# Altium PCB Power_Part_V1.0.PcbDoc
Units mil, origin at the board's own origin, x right, y up, seen from the top; angles counter-clockwise.
Board outline 7874.02 x 5118.11 mil, 2 copper layers (Top Layer, Bottom Layer); 19 components, 24 nets, 1098 pads, 4 vias.
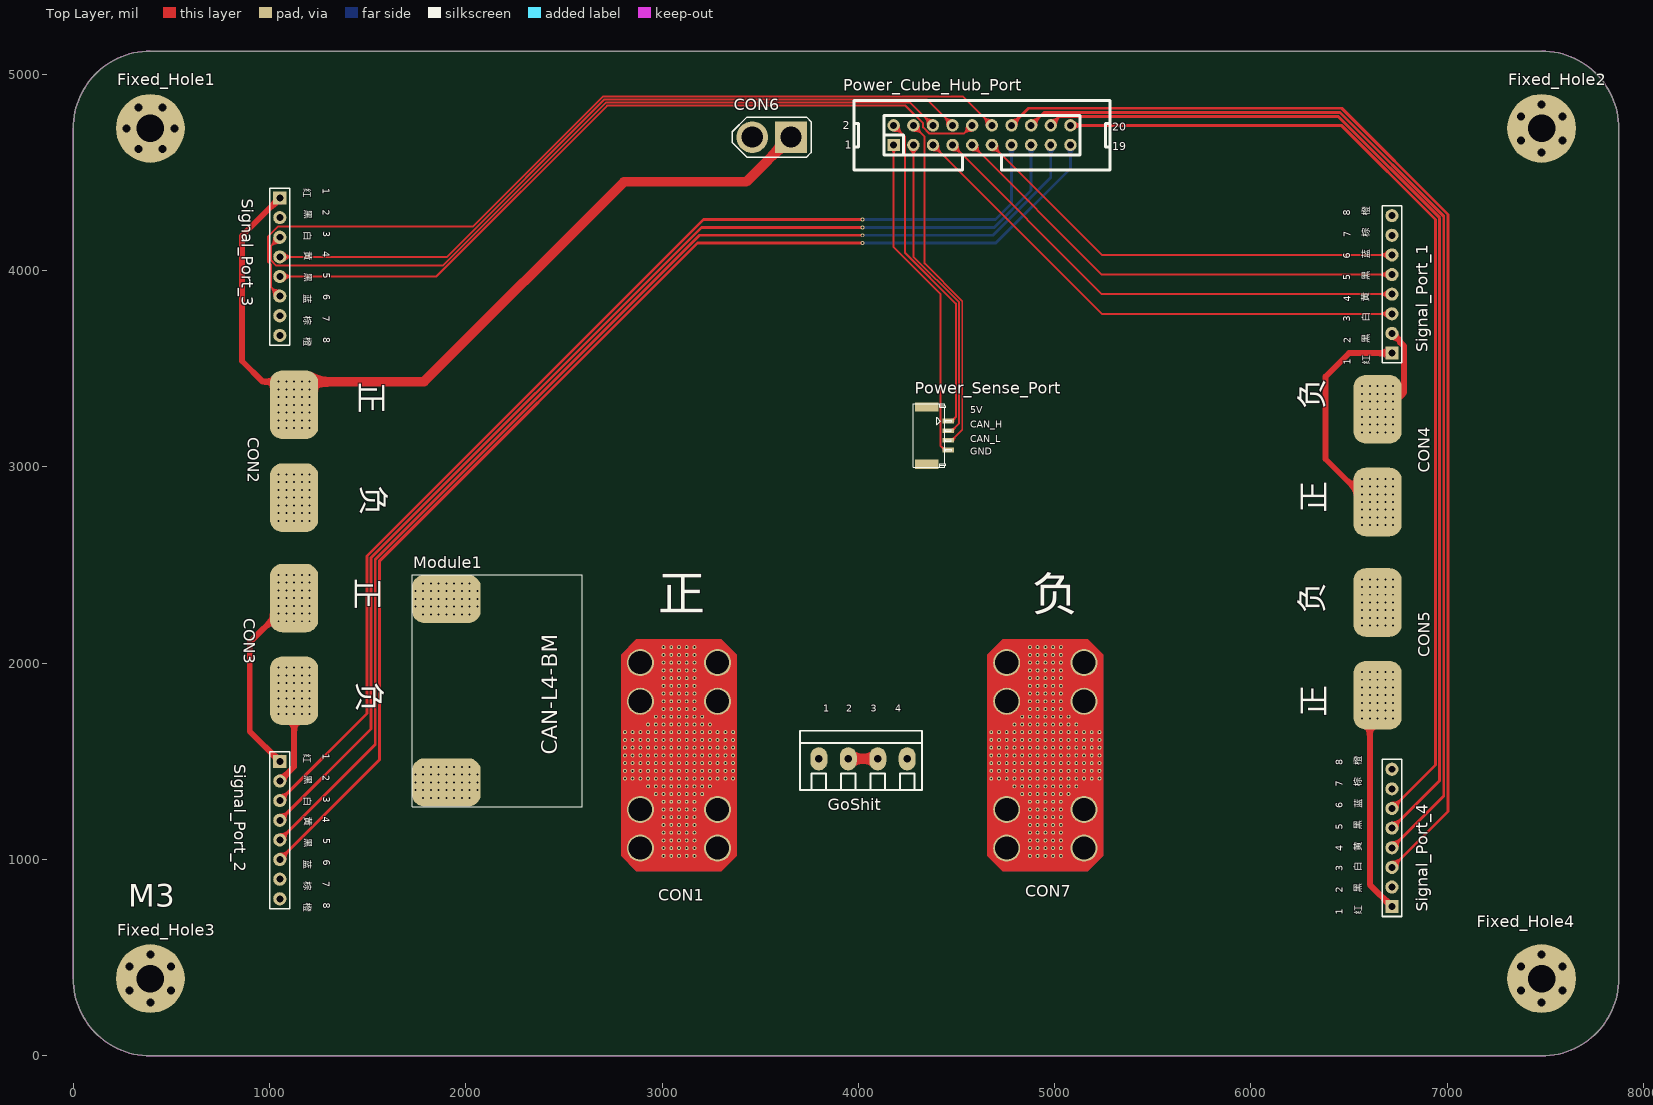
[diagram p0: Top Layer view]
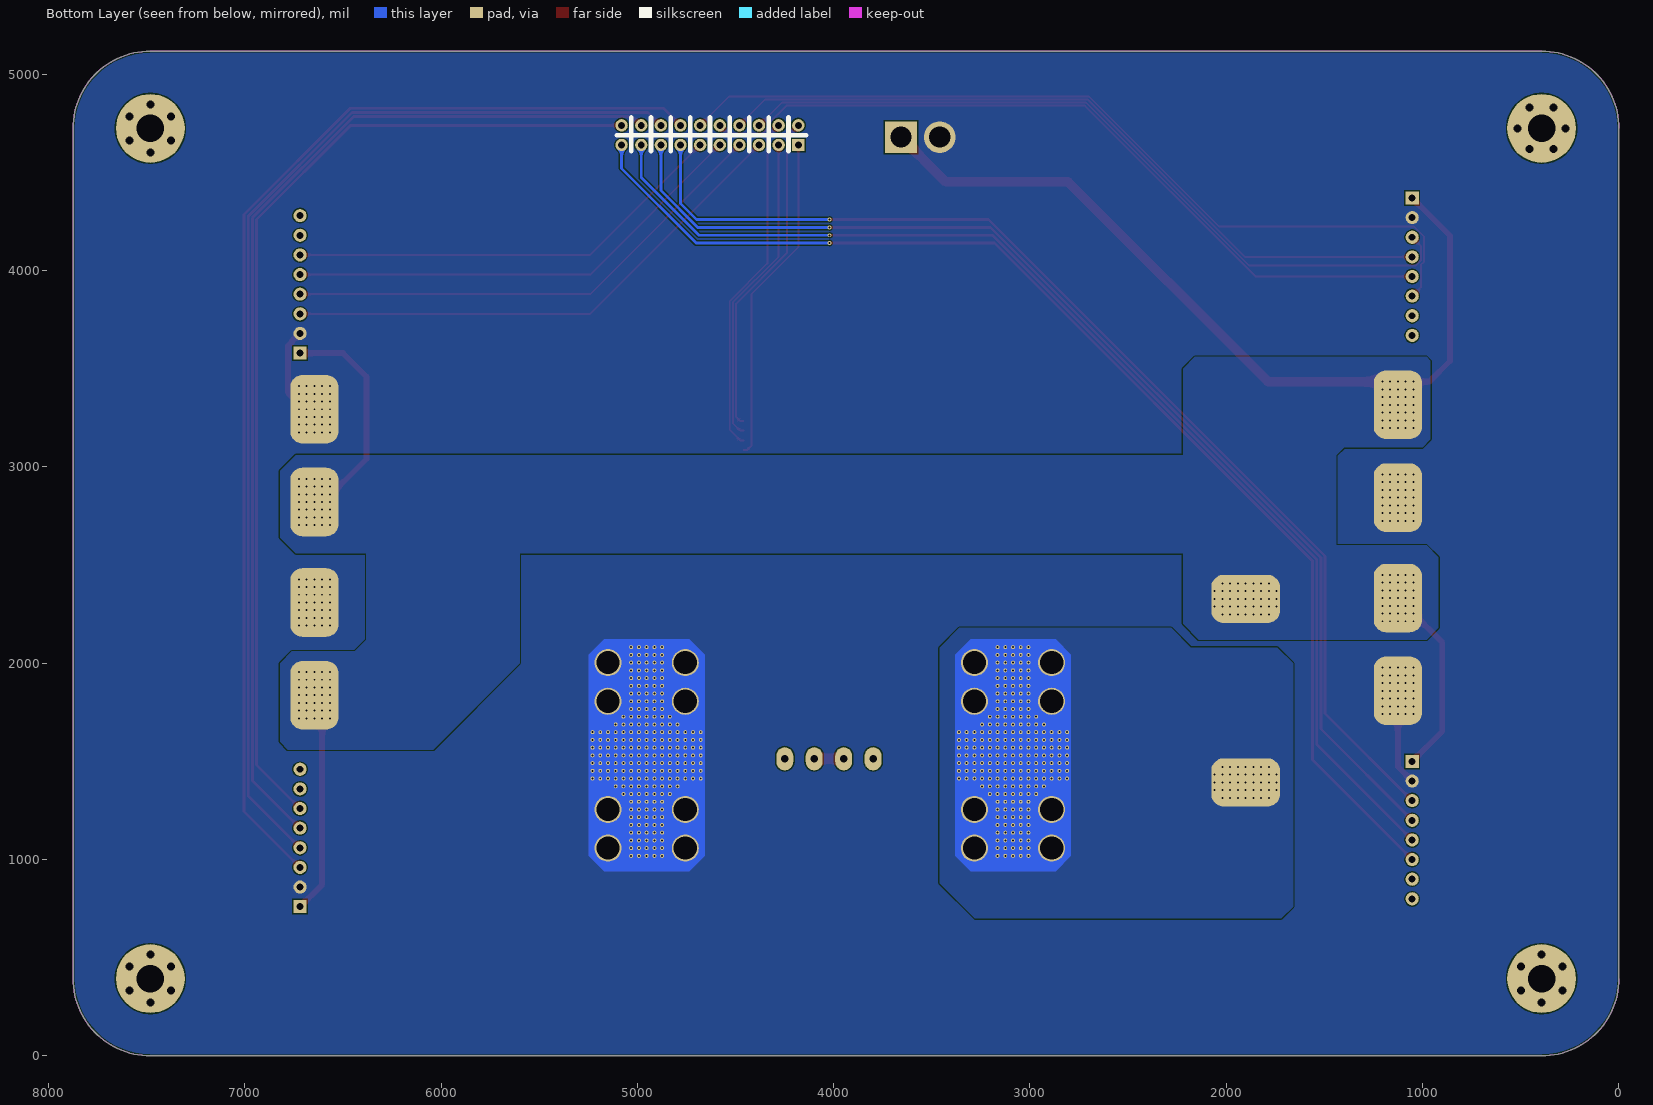
[diagram p1: Bottom Layer view, seen from below]

## Layer stack, top to bottom
Top Solder: solder mask 0.4, Solder Resist, Dk 3.5
Top Layer: signal copper 1.4
Dielectric 1: dielectric 12.6, FR-4, Dk 4.8
Bottom Layer: signal copper 1.4
Bottom Solder: solder mask 0.4, Solder Resist, Dk 3.5

## Board outline
393.7,0 cw(c393.7,393.7) 0,393.7 0,4724.41 cw(c393.7,4724.41) 393.7,5118.11 7480.31,5118.11 cw(c7480.31,4724.41) 7874.02,4724.41 7874.02,393.7 cw(c7480.31,393.7) 7480.31,0

## Design rules (kind name [scope] priority, off if disabled: settings)
Clearance [All] p1: gap=6 ignorepadtopadclearanceinfootprint=FALSE except(0: Arc-Text Arc-Hole Track-Text Track-Hole SMDPad-Text SMDPad-Hole THPad-Text THPad-Hole Via-Text Via-Hole Fill-Text Fill-Hole Poly-Text Poly-Hole Region-Text Region-Hole Text-Text Text-Hole)
HoleSize [All] p1: absolutevalues=TRUE maxlimit=10000 minlimit=1 maxpercent=80.000 minpercent=20.000
HoleToHoleClearance [All] p1: gap=6 allowstackedmicrovias=TRUE
MinimumSolderMaskSliver [All] p1: minsoldermaskwidth=6
PlaneClearance [All] p1: clearance=10
PlaneConnect [All] p1: planeconnectstyle=Direct reliefexpansion=20 reliefentries=4 reliefconductorwidth=10 reliefairgap=10
PolygonConnect [All] p1: connectstyle=Direct reliefconductorwidth=10 reliefentries=4 polygonreliefangle="90 Angle" airgapwidth=10
RoutingVias [All] p1: holewidth=10 width=20 viastyle="Through Hole" minholewidth=10 minwidth=20 maxholewidth=10 maxwidth=20
SilkToSilkClearance [All] p1: silktosilkclearance=0
SilkToSolderMaskClearance [IsPad] p1: minsilkscreentomaskgap=0 clearancetoexposedcopper=TRUE
SolderMaskExpansion [All] p1: expansion=4 istentingtop=FALSE
Width [All] p1: maxlimit=10000 minlimit=6 preferedwidth=10 minimp=50.000000 maximp=50.000000 favimp=50.000000
23 further rules are at their usual default settings.

## Components (designator, comment, footprint, x,y, rotation, side; value= is the part's Value field where it differs from the comment)
CON1 "SuperPowerConnector" SuperPowerConnector 3086.26,1530.68 r270 top
CON2 "Power_Port" PAD1 1125.63,3080 r180 top
CON3 "Power_Port" PAD1 1125.63,2095.75 r180 top
CON4 "Power_Port" PAD1 6645,3057.56 r0 top
CON5 "Power_Port" PAD1 6645,2073.3 r0 top
CON6 "XT30" XT30U-F 3656.85,4680 r180 top
CON7 "SuperPowerConnector" SuperPowerConnector 4952.52,1530.68 r270 top
Fixed_Hole1 "M3" "M3 140X350" 393.7,4724.41 r0 top
Fixed_Hole2 "M3" "M3 140X350" 7480.31,4724.41 r90 top
Fixed_Hole3 "M3" "M3 140X350" 393.7,393.7 r90 top
Fixed_Hole4 "M3" "M3 140X350" 7480.31,393.7 r90 top
GoShit "HDR-1X4" KF128-3.81-4P 4023.81,1513.18 r0 top
Module1 "CAN-L4-BM" CAN-L4-BM 2160,1860 r90 top
Power_Cube_Hub_Port "Header 2X10" IDC2.54-LI-2x10P 4180,4640 r0 top
Power_Sense_Port "HDR-1X4" GH1.25-WS-4P 4360,3160 r90 top
Signal_Port_1 "HDR-1X8" HDR2.54-LI-8P 6717.9,3930 r90 top
Signal_Port_2 "HDR-1X8" HDR2.54-LI-8P 1052.73,1150 r270 top
Signal_Port_3 "HDR-1X8" HDR2.54-LI-8P 1052.73,4020 r270 top
Signal_Port_4 "HDR-1X8" HDR2.54-LI-8P 6717.9,1110 r90 top

## Footprints (in the part's own frame and the unit in brackets; to place one, negate y for a bottom-side part, rotate by r counter-clockwise, add the part's x,y. Pads: shape width x height; smd on the part's side, far side on the other; paste and mask are expansions set on the pad)
CAN-L4-BM [mil]
  round 20 hole 10: 1(-545.91,140.35) 1(-545.91,140.35) 1(-545.91,140.35) 1(-545.91,140.35) 1(-545.91,179.72) 1(-545.91,179.72) 1(-545.91,219.09) 1(-545.91,219.09) 1(-545.91,258.46) 1(-545.91,258.46) 1(-545.91,297.83) 1(-545.91,297.83) 1(-545.91,337.2) 1(-545.91,337.2) 1(-545.91,376.57) 1(-545.91,376.57) 1(-506.54,100.98) 1(-506.54,100.98) 1(-506.54,140.35) 1(-506.54,140.35) 1(-506.54,179.72) 1(-506.54,219.09) 1(-506.54,258.46) 1(-506.54,297.83) 1(-506.54,337.2) 1(-506.54,376.57) 1(-506.54,415.94) 1(-506.54,415.94) 1(-467.17,100.98) 1(-467.17,100.98) 1(-467.17,140.35) 1(-467.17,140.35) 1(-467.17,179.72) 1(-467.17,219.09) 1(-467.17,258.46) 1(-467.17,297.83) 1(-467.17,337.2) 1(-467.17,376.57) 1(-467.17,415.94) 1(-467.17,415.94) 1(-427.8,100.98) 1(-427.8,100.98) 1(-427.8,140.35) 1(-427.8,140.35) 1(-427.8,179.72) 1(-427.8,219.09) 1(-427.8,258.46) 1(-427.8,297.83) 1(-427.8,337.2) 1(-427.8,376.57) 1(-427.8,415.94) 1(-427.8,415.94) 1(-388.43,140.35) 1(-388.43,140.35) 1(-388.43,179.72) 1(-388.43,219.09) 1(-388.43,258.46) 1(-388.43,297.83) 1(-388.43,337.2) 1(-388.43,376.57) 2(388.98,140.35) 2(388.98,140.35) 2(388.98,140.35) 2(388.98,140.35) 2(388.98,179.72) 2(388.98,179.72) 2(388.98,219.09) 2(388.98,219.09) 2(388.98,258.46) 2(388.98,258.46) 2(388.98,297.83) 2(388.98,297.83) 2(388.98,337.2) 2(388.98,337.2) 2(388.98,376.57) 2(388.98,376.57) 2(428.35,100.98) 2(428.35,100.98) 2(428.35,140.35) 2(428.35,140.35) 2(428.35,179.72) 2(428.35,219.09) 2(428.35,258.46) 2(428.35,297.83) 2(428.35,337.2) 2(428.35,376.57) 2(428.35,415.94) 2(428.35,415.94) 2(467.72,100.98) 2(467.72,100.98) 2(467.72,140.35) 2(467.72,140.35) 2(467.72,179.72) 2(467.72,219.09) 2(467.72,258.46) 2(467.72,297.83) 2(467.72,337.2) 2(467.72,376.57) 2(467.72,415.94) 2(467.72,415.94) 2(507.09,100.98) 2(507.09,100.98) 2(507.09,140.35) 2(507.09,140.35) 2(507.09,179.72) 2(507.09,219.09) 2(507.09,258.46) 2(507.09,297.83) 2(507.09,337.2) 2(507.09,376.57) 2(507.09,415.94) 2(507.09,415.94) 2(546.46,140.35) 2(546.46,140.35) 2(546.46,179.72) 2(546.46,219.09) 2(546.46,258.46) 2(546.46,297.83) 2(546.46,337.2) 2(546.46,376.57)
  rrect50% 245.67x349.21 smd: 1(-467.17,258.46) 2(467.72,258.46)
  rrect50% 245.67x349.21 smd far side: 1(-467.17,258.46) 2(467.72,258.46)
  silkscreen extent -591,-433 591,433
GH1.25-WS-4P [mm]
  rect 1.2x3 smd: 0(-3.7,0.3) 0(3.7,0.3)
  rect 0.6x1.5 smd: 1(1.875,-2.5) 2(0.625,-2.5) 3(-0.625,-2.5) 4(-1.875,-2.5)
  silkscreen extent -4.13,-2.85 4.12,2.05, body extent -4.12,-2.8 4.13,2.1, height 4.4
HDR2.54-LI-8P [mm] "排针，8脚"
  rect 1.7x1.7 hole 0.9: 1(-8.89,0)
  round 1.7 hole 0.9: 2(-6.35,0) 3(-3.81,0) 4(-1.27,0) 5(1.27,0) 6(3.81,0) 7(6.35,0) 8(8.89,0)
  silkscreen extent -10.16,-1.27 10.16,1.27, body extent -10.16,-1.27 10.16,1.27, height 8.5
IDC2.54-LI-2x10P [mm] "20P简易牛角座"
  rect 1.6x1.6 hole 0.9: 1(0,0)
  round 1.6 hole 0.9: 2(0,2.54) 3(2.54,0) 4(2.54,2.54) 5(5.08,0) 6(5.08,2.54) 7(7.62,0) 8(7.62,2.54) 9(10.16,0) 10(10.16,2.54) 11(12.7,0) 12(12.7,2.54) 13(15.24,0) 14(15.24,2.54) 15(17.78,0) 16(17.78,2.54) 17(20.32,0) 18(20.32,2.54) 19(22.86,0) 20(22.86,2.54)
  silkscreen extent -5.11,-3.23 27.97,5.77, body extent -5.08,-3.08 27.94,5.77, height 9.17
KF128-3.81-4P [mm] "螺钉式接线端子，脚距3.81mm"
  oval 2.2x3 hole 1: 1(-5.715,0) 2(-1.905,0) 3(1.905,0) 4(5.715,0)
  silkscreen extent -8.13,-4.04 7.62,3.63, body extent -8.12,-3.9 7.62,3.5, height 8.55
"M3 140X350" [mil] "M3螺丝孔，孔140Mil，焊盘350Mil"
  round 35 hole 40: 1(-122,0) 1(-61,-105.66) 1(-61,105.66) 1(61,-105.66) 1(61,105.66) 1(122,0)
  round 350 hole 140: 1(0,0)
PAD1 [mil]
  round 20 hole 10: 1(-78.74,-157.48) 1(-78.74,-157.48) 1(-78.74,-118.11) 1(-78.74,-118.11) 1(-78.74,-275.59) 1(-78.74,-275.59) 1(-78.74,-236.22) 1(-78.74,-236.22) 1(-78.74,-196.85) 1(-78.74,-196.85) 1(-78.74,-354.33) 1(-78.74,-354.33) 1(-78.74,-354.33) 1(-78.74,-354.33) 1(-78.74,-314.96) 1(-78.74,-314.96) 1(-39.37,-118.11) 1(-39.37,-196.85) 1(-39.37,-157.48) 1(-39.37,-236.22) 1(-39.37,-314.96) 1(-39.37,-275.59) 1(-39.37,-354.33) 1(-39.37,-354.33) 1(0,-118.11) 1(0,-157.48) 1(0,-196.85) 1(0,-236.22) 1(0,-275.59) 1(0,-314.96) 1(0,-354.33) 1(0,-354.33) 1(39.37,-118.11) 1(39.37,-196.85) 1(39.37,-157.48) 1(39.37,-236.22) 1(39.37,-314.96) 1(39.37,-275.59) 1(39.37,-354.33) 1(39.37,-354.33) 1(78.74,-157.48) 1(78.74,-118.11) 1(78.74,-275.59) 1(78.74,-236.22) 1(78.74,-196.85) 1(78.74,-354.33) 1(78.74,-354.33) 1(78.74,-314.96) 2(-78.74,314.96) 2(-78.74,314.96) 2(-78.74,354.33) 2(-78.74,354.33) 2(-78.74,196.85) 2(-78.74,196.85) 2(-78.74,236.22) 2(-78.74,236.22) 2(-78.74,275.59) 2(-78.74,275.59) 2(-78.74,118.11) 2(-78.74,118.11) 2(-78.74,118.11) 2(-78.74,118.11) 2(-78.74,157.48) 2(-78.74,157.48) 2(-39.37,354.33) 2(-39.37,275.59) 2(-39.37,314.96) 2(-39.37,236.22) 2(-39.37,157.48) 2(-39.37,196.85) 2(-39.37,118.11) 2(-39.37,118.11) 2(0,354.33) 2(0,314.96) 2(0,275.59) 2(0,236.22) 2(0,196.85) 2(0,157.48) 2(0,118.11) 2(0,118.11) 2(39.37,354.33) 2(39.37,275.59) 2(39.37,314.96) 2(39.37,236.22) 2(39.37,157.48) 2(39.37,196.85) 2(39.37,118.11) 2(39.37,118.11) 2(78.74,314.96) 2(78.74,354.33) 2(78.74,196.85) 2(78.74,236.22) 2(78.74,275.59) 2(78.74,118.11) 2(78.74,118.11) 2(78.74,157.48)
  rrect50% 245.67x349.21 smd: 1(0,-236.22) 2(0,236.22)
  rrect50% 245.67x349.21 smd far side: 1(0,-236.22) 2(0,236.22)
SuperPowerConnector [mil]
  round 20 hole 10: 1(-551.18,-78.74) 1(-551.18,-39.37) 1(-551.18,0) 1(-551.18,39.37) 1(-551.18,78.74) 1(-511.81,-78.74) 1(-511.81,-39.37) 1(-511.81,0) 1(-511.81,39.37) 1(-511.81,78.74) 1(-472.44,-78.74) 1(-472.44,-39.37) 1(-472.44,0) 1(-472.44,39.37) 1(-472.44,78.74) 1(-433.07,-78.74) 1(-433.07,-39.37) 1(-433.07,0) 1(-433.07,39.37) 1(-433.07,78.74) 1(-393.7,-78.74) 1(-393.7,-39.37) 1(-393.7,0) 1(-393.7,39.37) 1(-393.7,78.74) 1(-354.33,-78.74) 1(-354.33,-39.37) 1(-354.33,0) 1(-354.33,39.37) 1(-354.33,78.74) 1(-314.96,-78.74) 1(-314.96,-39.37) 1(-314.96,0) 1(-314.96,39.37) 1(-314.96,78.74) 1(-275.59,-78.74) 1(-275.59,-39.37) 1(-275.59,0) 1(-275.59,39.37) 1(-275.59,78.74) 1(-236.22,78.74) 1(-236.22,-39.37) 1(-236.22,0) 1(-236.22,39.37) 1(-236.22,-78.74) 1(-196.85,78.74) 1(-196.85,118.11) 1(-196.85,-39.37) 1(-196.85,0) 1(-196.85,39.37) 1(-196.85,-118.11) 1(-196.85,-78.74) 1(-157.48,78.74) 1(-157.48,78.74) 1(-157.48,118.11) 1(-157.48,118.11) 1(-157.48,157.48) 1(-157.48,157.48) 1(-157.48,-39.37) 1(-157.48,-39.37) 1(-157.48,0) 1(-157.48,0) 1(-157.48,39.37) 1(-157.48,39.37) 1(-157.48,-157.48) 1(-157.48,-157.48) 1(-157.48,-118.11) 1(-157.48,-118.11) 1(-157.48,-78.74) 1(-157.48,-78.74) 1(-118.11,275.59) 1(-118.11,196.85) 1(-118.11,236.22) 1(-118.11,118.11) 1(-118.11,157.48) 1(-118.11,39.37) 1(-118.11,78.74) 1(-118.11,0) 1(-118.11,-78.74) 1(-118.11,-39.37) 1(-118.11,-157.48) 1(-118.11,-118.11) 1(-118.11,-236.22) 1(-118.11,-196.85) 1(-118.11,-275.59) 1(-78.74,275.59) 1(-78.74,196.85) 1(-78.74,236.22) 1(-78.74,118.11) 1(-78.74,157.48) 1(-78.74,39.37) 1(-78.74,78.74) 1(-78.74,0) 1(-78.74,-78.74) 1(-78.74,-39.37) 1(-78.74,-157.48) 1(-78.74,-118.11) 1(-78.74,-236.22) 1(-78.74,-196.85) 1(-78.74,-275.59) 1(-39.37,275.59) 1(-39.37,236.22) 1(-39.37,196.85) 1(-39.37,157.48) 1(-39.37,118.11) 1(-39.37,78.74) 1(-39.37,39.37) 1(-39.37,0) 1(-39.37,-39.37) 1(-39.37,-78.74) 1(-39.37,-118.11) 1(-39.37,-157.48) 1(-39.37,-196.85) 1(-39.37,-236.22) 1(-39.37,-275.59) 1(0,275.59) 1(0,236.22) 1(0,196.85) 1(0,157.48) 1(0,118.11) 1(0,78.74) 1(0,39.37) 1(0,0) 1(0,-39.37) 1(0,-78.74) 1(0,-118.11) 1(0,-157.48) 1(0,-196.85) 1(0,-236.22) 1(0,-275.59) 1(39.37,275.59) 1(39.37,236.22) 1(39.37,196.85) 1(39.37,157.48) 1(39.37,118.11) 1(39.37,78.74) 1(39.37,39.37) 1(39.37,0) 1(39.37,-39.37) 1(39.37,-78.74) 1(39.37,-118.11) 1(39.37,-157.48) 1(39.37,-196.85) 1(39.37,-236.22) 1(39.37,-275.59) 1(78.74,275.59) 1(78.74,196.85) 1(78.74,236.22) 1(78.74,118.11) 1(78.74,157.48) 1(78.74,39.37) 1(78.74,78.74) 1(78.74,0) 1(78.74,-78.74) 1(78.74,-39.37) 1(78.74,-157.48) 1(78.74,-118.11) 1(78.74,-236.22) 1(78.74,-196.85) 1(78.74,-275.59) 1(118.11,275.59) 1(118.11,196.85) 1(118.11,236.22) 1(118.11,118.11) 1(118.11,157.48) 1(118.11,39.37) 1(118.11,78.74) 1(118.11,0) 1(118.11,-78.74) 1(118.11,-39.37) 1(118.11,-157.48) 1(118.11,-118.11) 1(118.11,-236.22) 1(118.11,-196.85) 1(118.11,-275.59) 1(157.48,78.74) 1(157.48,118.11) 1(157.48,157.48) 1(157.48,-39.37) 1(157.48,0) 1(157.48,39.37) 1(157.48,-157.48) 1(157.48,-118.11) 1(157.48,-78.74) 1(196.85,78.74) 1(196.85,118.11) 1(196.85,-39.37) 1(196.85,0) 1(196.85,39.37) 1(196.85,-118.11) 1(196.85,-78.74) 1(236.22,78.74) 1(236.22,-39.37) 1(236.22,0) 1(236.22,39.37) 1(236.22,-78.74) 1(275.59,-78.74) 1(275.59,-39.37) 1(275.59,0) 1(275.59,39.37) 1(275.59,78.74) 1(314.96,-78.74) 1(314.96,-39.37) 1(314.96,0) 1(314.96,39.37) 1(314.96,78.74) 1(354.33,-78.74) 1(354.33,-39.37) 1(354.33,0) 1(354.33,39.37) 1(354.33,78.74) 1(393.7,-78.74) 1(393.7,-39.37) 1(393.7,0) 1(393.7,39.37) 1(393.7,78.74) 1(433.07,-78.74) 1(433.07,-39.37) 1(433.07,0) 1(433.07,39.37) 1(433.07,78.74) 1(472.44,-78.74) 1(472.44,-39.37) 1(472.44,0) 1(472.44,39.37) 1(472.44,78.74) 1(511.81,-78.74) 1(511.81,-39.37) 1(511.81,0) 1(511.81,39.37) 1(511.81,78.74)
  round 137.8 hole 118.11: 1(-472.44,196.85) 1(-472.44,-196.85) 1(-275.59,196.85) 1(-275.59,-196.85) 1(275.59,196.85) 1(275.59,-196.85) 1(472.44,196.85) 1(472.44,-196.85)
  round 1 smd: 1(0,0)
  round 1 smd far side: 1(0,0)
  Top Layer region: -511.81,295.28 -590.55,216.54 -590.55,-216.54 -511.81,-295.28 511.81,-295.28 590.55,-216.54 590.55,216.54 511.81,295.28
  Bottom Layer region: -511.81,295.28 -590.55,216.54 -590.55,-216.54 -511.81,-295.28 511.81,-295.28 590.55,-216.54 590.55,216.54 511.81,295.28
  body extent -591,-295 591,295, height 157
XT30U-F [mm] "10.2*5.2*12.4"
  rect 4.1x4.1 hole 2.75: 1(0,0)
  round 4.1 hole 2.75: 2(5,0)
  silkscreen extent -2.6,-2.6 7.6,2.6, body extent -2.6,-2.6 7.6,2.6, height 9.4

## Part data
CON2 CON3 CON4 CON5 CON6: library part XT电源接口-2Pins, "电源接口", BOM名称=XT航模电源接口
Fixed_Hole1 Fixed_Hole2 Fixed_Hole3 Fixed_Hole4: "铜柱孔", BOM名称=铜柱孔
GoShit Power_Sense_Port: library part "Header 4", "4P接插件", BOM名称=4P接插件
Power_Cube_Hub_Port: library part "Header 10X2", "10*2P接插件", BOM名称=10*2P接插件
Signal_Port_1 Signal_Port_2 Signal_Port_3 Signal_Port_4: library part "Header 8", "8P接插件", BOM名称=8P接插件

## Via types
v1: diameter 20, hole 10, Top Layer to Bottom Layer, tented both sides, 4 vias

## Nets (pads, with @x,y where several pads share a name; then routed paths per layer and width w, separated by ;. In a path a pad name is that pad's centre, name@x,y a point inside that pad or via, vN(x,y) a via of type N, cw(c..) or ccw(c..) an arc to the next point about the centre after c; other vN are vias at no path point)
Atomizer_Power_GND_1: CON2.2 CON3.2 CON4.2 CON5.2 CON6.2 CON7.1 Signal_Port_1.2 Signal_Port_2.2 Signal_Port_3.2 Signal_Port_4.2 | length 931.7
  Top Layer w30: Signal_Port_2.2 1125.63,1472.9 1125.63,1741.42 1125.63,1780.79 1125.63,1820.16 CON3.2@1125.63,1859.53 ; CON4.2@6684.37,3333.15 6723.74,3333.15 6733.15,3333.15 6780,3380 6780,3614.53 6760,3634.53 6760,3640 6720,3680 Signal_Port_1.2
Atomizer_Power_VCC_1: CON2.1 CON3.1 CON4.1 CON5.1 CON6.1 Module1.2 Signal_Port_1.1 Signal_Port_2.1 Signal_Port_3.1 Signal_Port_4.1 | length 7384.4
  Top Layer w30: CON2.1@1046.89,3434.33 965.67,3434.33 860,3540 860,4177.27 Signal_Port_3.1 ; Signal_Port_2.1 900,1652.73 900,2106.34 1046.89,2253.23 1086.26,2292.6 CON3.1@1125.63,2331.97 ; CON5.1@6605.63,1797.71 6605.63,1758.34 6605.63,1718.97 6605.63,872.27 Signal_Port_4.1 ; CON4.1@6645,2821.34 6605.63,2821.34 6598.66,2821.34 6380,3040 6380,3460 6500,3580 Signal_Port_1.1
  Top Layer w50: CON2.1@1165,3434.33 1204.37,3434.33 1788.09,3434.33 2805.98,4452.22 3429.07,4452.22 CON6.1
Atomizer_Signal_GND_1: Power_Cube_Hub_Port.11 Signal_Port_1.6 | length 2269.9
  Top Layer w10: Power_Cube_Hub_Port.11 5240,4080 Signal_Port_1.6
Atomizer_Signal_GND_2: Power_Cube_Hub_Port.19 Signal_Port_2.6 | length 6198.5
  Top Layer w15: Signal_Port_2.6 1560,1507.27 1560,2520 3180,4140 v1(4020,4140)
  Bottom Layer w15: v1(4020,4140) 4700,4140 5080,4520 Power_Cube_Hub_Port.19
Atomizer_Signal_GND_3: Power_Cube_Hub_Port.12 Signal_Port_3.6 | length 4372.9
  Top Layer w10: Signal_Port_3.6 1008.27,3914.46 1008.27,4028.95 992.27,4044.95 992.27,4172.42 1045.39,4225.54 2037.65,4225.54 2700.12,4888 4532,4888 Power_Cube_Hub_Port.12
Atomizer_Signal_GND_4: Power_Cube_Hub_Port.20 Signal_Port_4.6 | length 5150.8
  Top Layer w15: Power_Cube_Hub_Port.20 6460,4740 6940,4260 6940,1482.1 Signal_Port_4.6
Atomizer_Signal_PWM_1: Power_Cube_Hub_Port.7 Signal_Port_1.4 | length 2552.7
  Top Layer w10: Power_Cube_Hub_Port.7 5240,3880 Signal_Port_1.4
Atomizer_Signal_PWM_2: Power_Cube_Hub_Port.15 Signal_Port_2.4 | length 5899.1
  Top Layer w15: Signal_Port_2.4 1518,1665.27 1518,2537.4 3200.6,4220 v1(4020,4220)
  Bottom Layer w15: v1(4020,4220) 4692.29,4220 4880,4407.71 Power_Cube_Hub_Port.15
Atomizer_Signal_PWM_3: Power_Cube_Hub_Port.8 Signal_Port_3.4 | length 3814.1
  Top Layer w10: Signal_Port_3.4 1904.75,4070 2706.75,4872 4348,4872 Power_Cube_Hub_Port.8
Atomizer_Signal_PWM_4: Power_Cube_Hub_Port.16 Signal_Port_4.4 | length 5675.1
  Top Layer w15: Power_Cube_Hub_Port.16 4946,4806 6453.4,4806 6982,4277.4 6982,1324.1 Signal_Port_4.4
Motor_PWM_1: Power_Cube_Hub_Port.5 Signal_Port_1.3 | length 2694.1
  Top Layer w10: Power_Cube_Hub_Port.5 5240,3780 Signal_Port_1.3
Motor_PWM_2: Power_Cube_Hub_Port.13 Signal_Port_2.3 | length 5755.2
  Top Layer w15: Signal_Port_2.3 1497,1744.27 1497,2546.1 3210.9,4260 v1(4020,4260)
  Bottom Layer w15: v1(4020,4260) 4698.35,4260 4780,4341.65 Power_Cube_Hub_Port.13
Motor_PWM_3: Power_Cube_Hub_Port.6 Signal_Port_3.3 | length 3911.4
  Top Layer w10: Signal_Port_3.3 1008.27,4125.54 1008.27,4051.58 1034.31,4025.54 1882.91,4025.54 2713.37,4856 4264,4856 Power_Cube_Hub_Port.6
Motor_PWM_4: Power_Cube_Hub_Port.14 Signal_Port_4.3 | length 5927.3
  Top Layer w15: Power_Cube_Hub_Port.14 4867,4827 6462.1,4827 7003,4286.1 7003,1245.1 Signal_Port_4.3
Motor_Signal_GND_1: Power_Cube_Hub_Port.9 Signal_Port_1.5 | length 2411.3
  Top Layer w10: Power_Cube_Hub_Port.9 5240,3980 Signal_Port_1.5
Motor_Signal_GND_2: Power_Cube_Hub_Port.17 Signal_Port_2.5 | length 6042.6
  Top Layer w15: Signal_Port_2.5 1539,1586.27 1539,2528.7 3190.3,4180 v1(4020,4180)
  Bottom Layer w15: v1(4020,4180) 4685.53,4180 4980,4474.47 Power_Cube_Hub_Port.17
Motor_Signal_GND_3: Power_Cube_Hub_Port.10 Signal_Port_3.5 | length 3976.1
  Top Layer w10: Signal_Port_3.5 1850,3970 2720,4840 4240.1,4840 4330,4750.1 4330,4729.9 4362.4,4697.5 4537.5,4697.5 Power_Cube_Hub_Port.10
Motor_Signal_GND_4: Power_Cube_Hub_Port.18 Signal_Port_4.5 | length 5422.9
  Top Layer w15: Power_Cube_Hub_Port.18 5025,4785 6444.7,4785 6961,4268.7 6961,1403.1 Signal_Port_4.5
NetCON1_1: CON1.1 Module1.1
NetGoShit_2: GoShit.2 GoShit.3 | length 137.8
  Top Layer w50: GoShit.2@3954.91,1513.18 GoShit.3@4092.71,1513.18
PWR_Sense_5V: Power_Cube_Hub_Port.2 Power_Sense_Port.1 | length 1663.9
  Top Layer w10: Power_Cube_Hub_Port.2 4237.5,4682.5 4237.5,4091.26 4497.1,3831.67 4497.1,3254.77 4476.14,3233.82 Power_Sense_Port.1
PWR_Sense_CAN_H: Power_Cube_Hub_Port.3 Power_Sense_Port.2 | length 1585
  Top Layer w10: Power_Cube_Hub_Port.3 4280,4071.39 4513.1,3838.3 4513.1,3221.56 4476.14,3184.61 Power_Sense_Port.2
PWR_Sense_CAN_L: Power_Cube_Hub_Port.4 Power_Sense_Port.3 | length 1747.4
  Top Layer w10: Power_Cube_Hub_Port.4 4337.5,4682.5 4337.5,4036.51 4529.1,3844.92 4529.1,3188.35 4476.14,3135.39 Power_Sense_Port.3
PWR_Sense_GND: Power_Cube_Hub_Port.1 Power_Sense_Port.4 | length 1679.8
  Top Layer w10: Power_Cube_Hub_Port.1 4180,4120 4418.24,3881.76 4418.24,3277.49 4417.9,3277.14 4417.9,3108.99 4440.71,3086.18 Power_Sense_Port.4
pads on no net: Fixed_Hole1.1 Fixed_Hole2.1 Fixed_Hole3.1 Fixed_Hole4.1 GoShit.1 GoShit.4 Power_Sense_Port.0 Signal_Port_1.7 Signal_Port_1.8 Signal_Port_2.7 Signal_Port_2.8 Signal_Port_3.7 Signal_Port_3.8 Signal_Port_4.7 Signal_Port_4.8

## Polygon pours and split planes (outlines as drawn)
Atomizer_Power_GND_1 on Bottom Layer "NONET_L-01_P-001" (solid, remove dead copper, pour order 10): 393.7,0 cw(c393.7,393.7) 0,393.7 0,4724.41 cw(c393.7,4724.41) 393.7,5118.11 7480.31,5118.11 cw(c7480.31,4724.41) 7874.02,4724.41 7874.02,393.7 cw(c7480.31,393.7) 7480.31,0
Atomizer_Power_GND_1 on Bottom Layer "NONET_L-01_P-001" (solid, pour order 8): 4600,1680 4580,1660 4580,1420 4600,1400 5320,1400 5380,1340 5380,80 5420,40 5860,40 5900,80 5900,1560 5780,1680 4640,1680
Atomizer_Power_VCC_1 on Bottom Layer "NONET_L-01_P-001" (solid, pour order 4): 6760,2060 6820,2000 6820,1600 6780,1560 6040,1560 5600,2000 5600,2640 5640,2680 6280,2680 6380,2580 6380,2120 6440,2060 6600,2060
Atomizer_Power_VCC_1 on Bottom Layer "NONET_L-01_P-001" (solid, pour order 3): 6740,3060 6820,2980 6820,2640 6740,2560 2120,2560 2020,2660 2020,2928.19 2151.81,3060
Atomizer_Power_VCC_1 on Bottom Layer "NONET_L-01_P-001" (solid, pour order 2): 980,3560 960,3540 960,3140 1000,3100 1400,3100 1440,3060 1440,2560 1520,2480 2180,2480 2220,2520 2220,3500 2160,3560
Atomizer_Power_VCC_1 on Bottom Layer "NONET_L-01_P-001" (solid, pour order 1): 2140,2600 2220,2520 2220,2200 2140,2120 980,2120 920,2180 920,2540 980,2600 1060,2600
NetCON1_1 on Bottom Layer "NONET_L-01_P-001" (solid, pour order 0): 1740,2080 2180,2080 2280,2180 3360,2180 3460,2080 3460,880 3280,700 1720,700 1660,760 1660,2000
no net on Bottom Solder "NONET_L-01_P-001" (solid): 580,660 620,620 620,160 740,40 900,40 900,600 900,2560 980,2640 1240,2640 1300,2700 1300,3000 1260,3040 600,3040 580,3020
no net on Bottom Solder "NONET_L-01_P-001" (solid): 6520,3480 6500,3460 6500,3140 6540,3100 6880,3100 6900,3080 6900,2440 7140,2440 7140,3440 7100,3480
no net on Bottom Solder "NONET_L-01_P-001" (solid): 6860,620 7040,440 7100,440 7100,480 7300,680 7300,2460 7260,2500 6520,2500 6500,2480 6500,2160 6540,2120 6780,2120 6860,2040
no net on Bottom Solder "NONET_L-01_P-001" (solid): 7000,700 7100,600 7100,120 7020,40 860,40 780,120 780,640 840,700
no net on Bottom Solder "NONET_L-01_P-001" (solid): 4660,1700 4660,1400 4680,1380 5280,1380 5360,1300 5360,120 5440,40 5820,40 5920,140 5920,1520 5740,1700 4680,1700
no net on Bottom Solder "NONET_L-01_P-001" (solid): 6740,2040 6800,1980 6800,1640 6780,1620 6040,1620 5680,1980 5680,2680 5940,2680 6000,2620 6000,2080 6040,2040
no net on Bottom Solder "NONET_L-01_P-001" (solid): 6740,3060 6820,2980 6820,2640 6740,2560 2040,2560 2020,2580 2040,2600 2040,3020 2080,3060 6380,3060
no net on Bottom Solder "NONET_L-01_P-001" (solid): 1020,3520 980,3480 980,3160 1020,3120 1700,3120 1740,3080 1740,2500 2000,2500 2060,2440 2080,2460 2100,2460 2100,3460 2040,3520
no net on Bottom Solder "NONET_L-01_P-001" (solid): 1020,2520 980,2520 960,2500 960,2180 1000,2140 2060,2140 2100,2180 2100,2460 2040,2520
no net on Bottom Solder "NONET_L-01_P-001" (solid): 1700,1660 1680,1660 1680,1280 1720,1240 2140,1240 2300,1400 3380,1400 3380,1660

## Keep-outs
Keep-Out Layer:
  lines w6: 7874.02,1837.27 7874.02,393.7 ; 7874.02,393.7 cw(c7480.31,393.7) 7480.31,0 393.7,0 cw(c393.7,393.7) 0,393.7 0,4724.41 cw(c393.7,4724.41) 393.7,5118.11 7480.31,5118.11 cw(c7480.31,4724.41) 7874.02,4724.41 7874.02,393.7

## Silkscreen, mask and mechanical layers (free items; w line width, h text height)
Top Overlay:
  text "红" at 1163.33,4420 h60 r270
  text "1" at 1260,4419.94 h60 r270
  text "黑" at 1166.05,4310.04 h60 r270
  text "2" at 1260,4310.04 h60 r270
  text "8" at 6519.5,4280 h60 r90
  text "橙" at 6614.45,4280 h60 r90
  text "白" at 1165.33,4200.5 h60 r270
  text "3" at 1260.56,4200.5 h60 r270
  text "7" at 6520,4169.65 h60 r90
  text "棕" at 6614.23,4169.65 h60 r90
  text "黄" at 1166.44,4098.29 h60 r270
  text "4" at 1260,4098.23 h60 r270
  text "6" at 6519.44,4060.35 h60 r90
  text "蓝" at 6615.67,4060.41 h60 r90
  text "黑" at 1166.05,3989.19 h60 r270
  text "5" at 1260.56,3989.25 h60 r270
  text "5" at 6519.44,3950.75 h60 r90
  text "黑" at 6613.95,3950.81 h60 r90
  text "蓝" at 1164.33,3879.59 h60 r270
  text "6" at 1260.55,3879.65 h60 r270
  text "4" at 6520,3841.77 h60 r90
  text "黄" at 6613.56,3841.71 h60 r90
  text "棕" at 1165.77,3770.35 h60 r270
  text "7" at 1260,3770.35 h60 r270
  text "3" at 6519.44,3739.5 h60 r90
  text "白" at 6614.67,3739.5 h60 r90
  text "橙" at 1165.55,3660 h60 r270
  text "8" at 1260.5,3660 h60 r270
  text "2" at 6520,3629.96 h60 r90
  text "黑" at 6613.95,3629.96 h60 r90
  text "1" at 6520,3520.06 h60 r90
  text "红" at 6616.67,3520 h60 r90
  text "正" at 1425.97,3432.26 h200 r270
  text "负" at 6402.92,3291.11 h200 r90
  text "5V" at 4568.74,3260.55 h60
  text "CAN_H" at 4568.8,3186.76 h60
  text "CAN_L" at 4568.8,3113.01 h60
  text "GND" at 4568.8,3050.32 h60
  text "负" at 1437.08,2908.89 h200 r270
  text "正" at 6414.02,2767.74 h200 r90
  text "正" at 1405.97,2432.26 h200 r270
  text "负" at 6402.92,2251.11 h200 r90
  text "正" at 2980,2214.72 h300
  text "负" at 4880.28,2211.38 h300
  text "负" at 1417.08,1908.89 h200 r270
  text "4" at 4188.8,1740.75 h60
  text "1" at 3820.06,1740 h60
  text "2" at 3937.24,1740.15 h60
  text "3" at 4063.68,1740.14 h60
  text "正" at 6414.02,1727.74 h200 r90
  text "红" at 1163.33,1540 h60 r270
  text "1" at 1260,1539.94 h60 r270
  text "8" at 6479.5,1480 h60 r90
  text "橙" at 6574.45,1480 h60 r90
  text "黑" at 1166.05,1430.04 h60 r270
  text "2" at 1260,1430.04 h60 r270
  text "7" at 6480,1369.65 h60 r90
  text "棕" at 6574.23,1369.65 h60 r90
  text "白" at 1165.33,1320.5 h60 r270
  text "3" at 1260.56,1320.5 h60 r270
  text "6" at 6479.44,1260.35 h60 r90
  text "蓝" at 6575.67,1260.41 h60 r90
  text "黄" at 1166.44,1218.29 h60 r270
  text "4" at 1260,1218.23 h60 r270
  text "5" at 6479.44,1150.75 h60 r90
  text "黑" at 6573.95,1150.81 h60 r90
  text "黑" at 1166.05,1109.19 h60 r270
  text "5" at 1260.56,1109.25 h60 r270
  text "4" at 6480,1041.77 h60 r90
  text "黄" at 6573.56,1041.71 h60 r90
  text "蓝" at 1164.33,999.59 h60 r270
  text "6" at 1260.55,999.65 h60 r270
  text "3" at 6479.44,939.5 h60 r90
  text "白" at 6574.67,939.5 h60 r90
  text "棕" at 1165.77,890.35 h60 r270
  text "7" at 1260,890.35 h60 r270
  text "2" at 6480,829.96 h60 r90
  text "黑" at 6573.95,829.96 h60 r90
  text "橙" at 1165.55,780 h60 r270
  text "8" at 1260.5,780 h60 r270
  text "M3" at 280.18,721.82 h196.85
  text "1" at 6480,720.06 h60 r90
  text "红" at 6576.67,720 h60 r90

## Dimensions
393.7,393.7 to 393.7,0 on Top Overlay
0,393.7 to 7874.02,393.7 on Top Overlay
393.7,5118.11 to 393.7,0 on Top Overlay

## Text inside footprints (layer, text, board x,y; h text height)
Power_Cube_Hub_Port: Top Overlay "2" at 3920,4720 h40; Top Overlay "1" at 3930,4620 h40; Top Overlay "20" at 5292,4712 h40; Top Overlay "19" at 5292,4612 h40